# Allegro board ADRV9371-W_Layout_RevB.brd (continued)
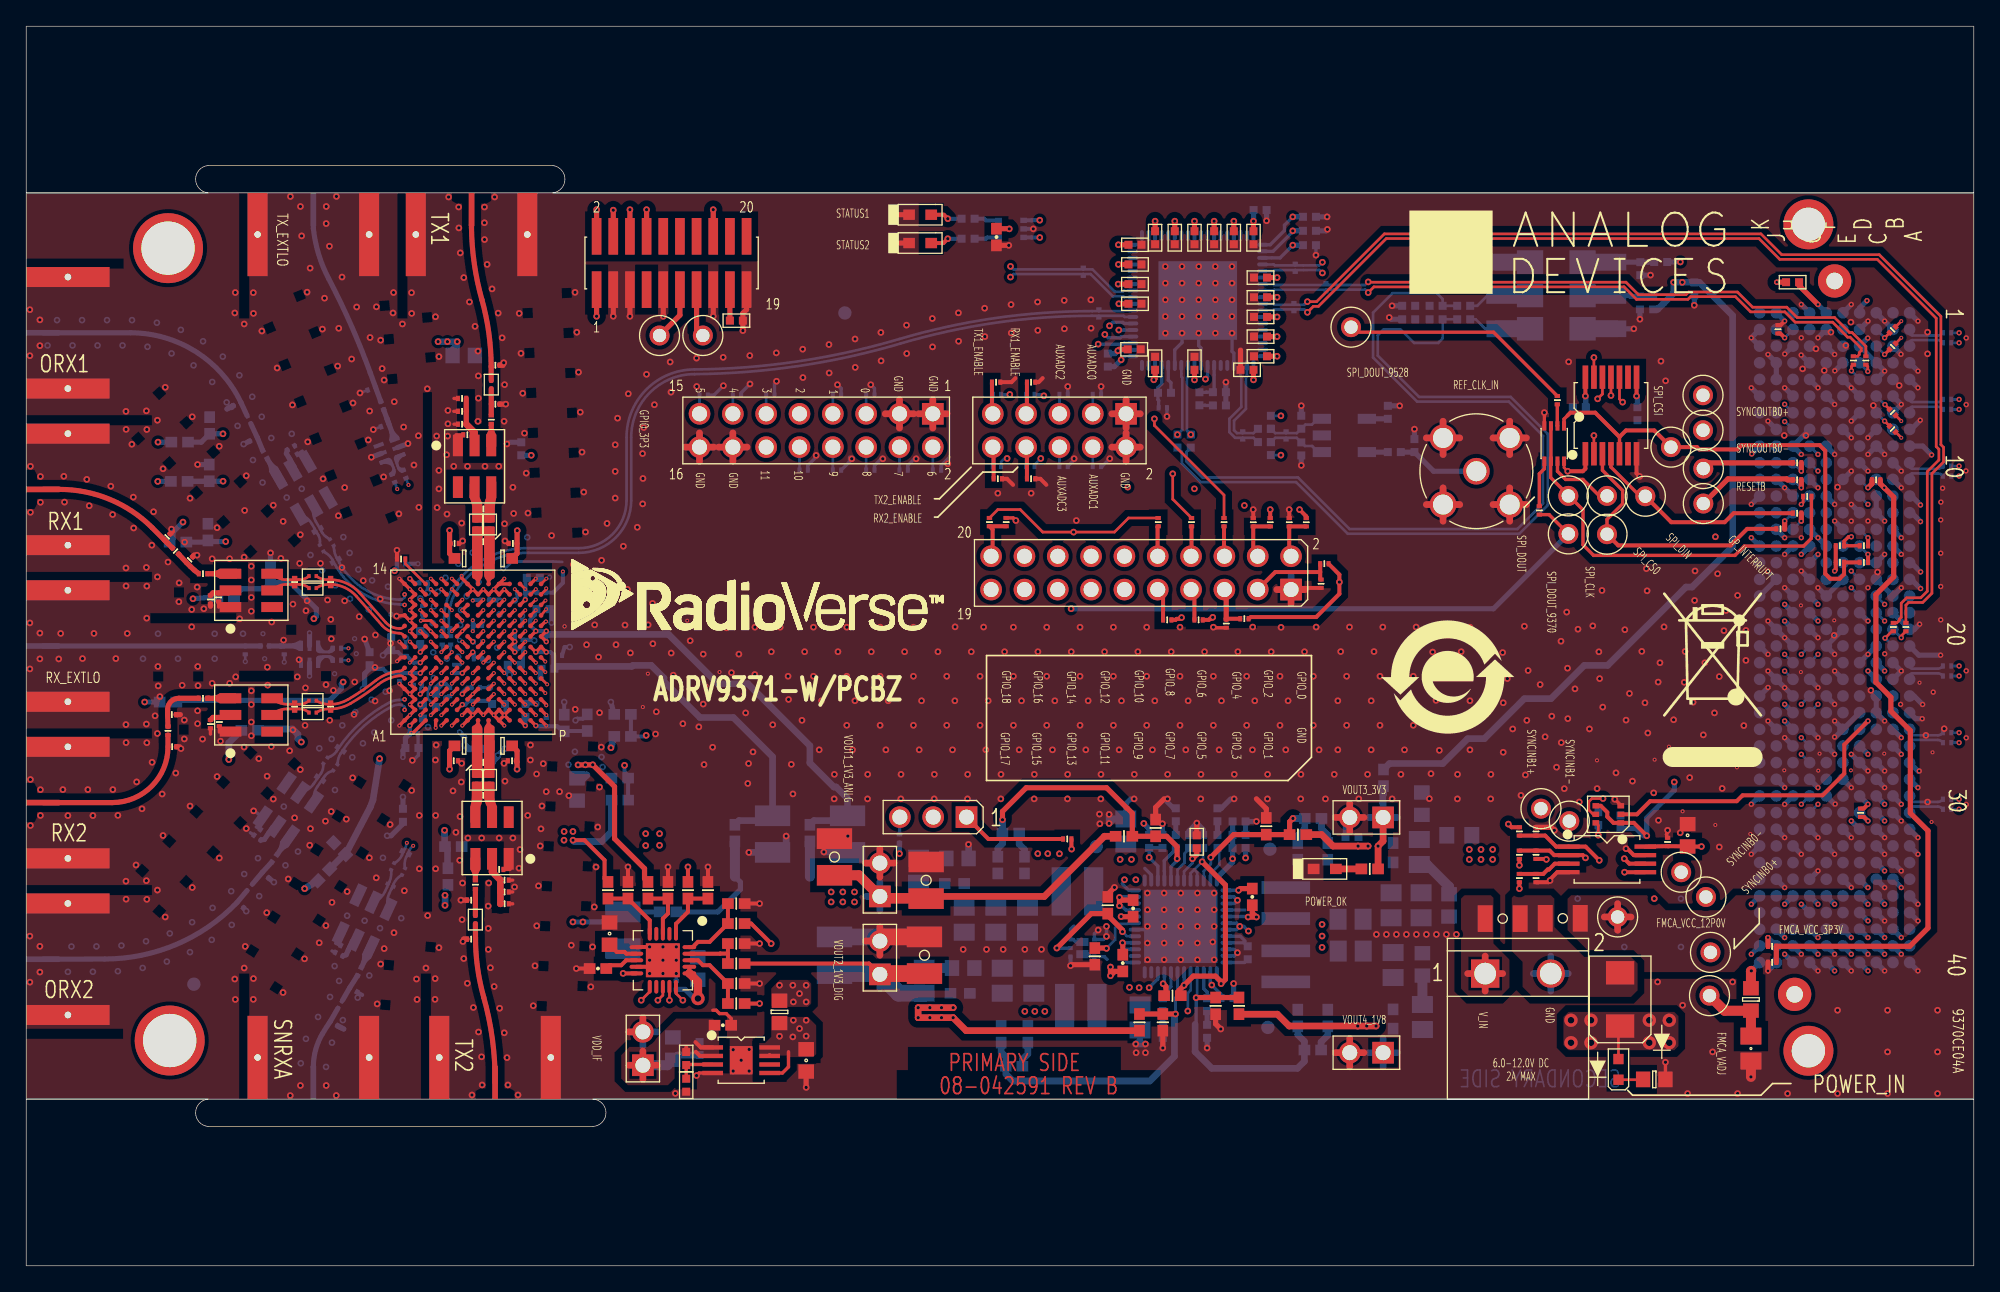
[diagram p0: board, top side]
## Nets (continued)
UNNAMED_7_AD7291_I1067_VIN5: R610.2(N2) R611.2(N2) U601.3(VIN5)
UNNAMED_7_AD7291_I1067_VIN7: R612.2(N2) R613.2(N2) U601.5(VIN7)
UNNAMED_7_AD7291_I1067_VREF: C650.1(N1) U601.7(VREF)
UNNAMED_7_AD9370V2_I936_VCLKVCO: C644.1(N1) U101.M1(VCLK_VCO_LDO)
UNNAMED_7_AD9370V2_I936_VDDABB: C604.1(N1) C606.1(N1) R614.1(N1) U101.E5(VDDA_BB)
UNNAMED_7_AD9370V2_I936_VDDARXR: C603.1(N1) C605.1(N1) R615.1(N1) U101.B1(VDDA_RXRF)
UNNAMED_7_AD9370V2_I936_VRXVCOL: C645.1(N1) U101.C8(VRX_VCO_LDO)
UNNAMED_7_AD9370V2_I936_VSNRXVC: C646.1(N1) U101.C3(VSNRX_VCO_LDO)
UNNAMED_7_AD9370V2_I936_VTXVCOL: C647.1(N1) U101.F13(VTX_VCO_LDO)
UNNAMED_8_ADP125_I911_ADJ: R739.1(N1) R740.2(N2) U702.3(ADJ)
UNNAMED_8_ADP5054_I118_BST1: C713.1(N1) U701.32(BST1)
UNNAMED_8_ADP5054_I118_BST2: C715.2(N2) U701.28(BST2)
UNNAMED_8_ADP5054_I118_BST3: C717.1(N1) U701.1(BST3)
UNNAMED_8_ADP5054_I118_BST4: C719.1(N1) U701.12(BST4)
UNNAMED_8_ADP5054_I118_COMP1: R704.2(N2) U701.40(COMP1)
UNNAMED_8_ADP5054_I118_COMP2: R707.2(N2) U701.20(COMP2)
UNNAMED_8_ADP5054_I118_COMP3: R708.2(N2) U701.47(COMP3)
UNNAMED_8_ADP5054_I118_COMP4: R711.2(N2) U701.15(COMP4)
UNNAMED_8_ADP5054_I118_DL1: Q701.5(G2) R718.2(N2) U701.31(DL1)
UNNAMED_8_ADP5054_I118_DL2: Q701.2(G1) R719.2(N2) U701.29(DL2)
UNNAMED_8_ADP5054_I118_EN1: C711.2(N2) P702.2(N2) R705.2(N2) R706.1(N1) U701.14(EN4) U701.39(EN1)
UNNAMED_8_ADP5054_I118_EN2: P702.1(N1) R702.2(N2) R703.1(N1) U701.21(EN2)
UNNAMED_8_ADP5054_I118_EN3: C712.2(N2) P702.3(N3) R709.2(N2) R710.1(N1) R712.1(N1) U701.48(EN3)
UNNAMED_8_ADP5054_I118_FB1: R714.1(N1) R715.1(N1) R716.1(N1) R717.1(N1) U701.41(FB1)
UNNAMED_8_ADP5054_I118_FB2: R720.2(N2) R721.1(N1) R722.1(N1) R723.1(N1) U701.19(FB2)
UNNAMED_8_ADP5054_I118_FB3: R724.2(N2) R725.1(N1) R726.1(N1) R727.1(N1) U701.46(FB3)
UNNAMED_8_ADP5054_I118_FB4: R728.2(N2) R729.1(N1) R730.1(N1) R731.1(N1) U701.16(FB4)
UNNAMED_8_ADP5054_I118_PWRGD: R712.2(N2) U701.17(PWRGD)
UNNAMED_8_ADP5054_I118_RT: R713.1(N1) U701.42(RT)
UNNAMED_8_ADP5054_I118_SW11: C713.2(N2) L700.1(N1) Q701.3(D2) Q701.PAD2(D2_1) U701.33(SW1_1) U701.34(SW1_2) U701.35(SW1_3)
UNNAMED_8_ADP5054_I118_SW21: C715.1(N1) L701.1(N1) Q701.6(D1) Q701.PAD1(D1_1) U701.25(SW2_1) U701.26(SW2_2) U701.27(SW2_3)
UNNAMED_8_ADP5054_I118_SW31: C717.2(N2) L702.1(N1) U701.4(SW3_1) U701.5(SW3_2)
UNNAMED_8_ADP5054_I118_SW41: C719.2(N2) L703.1(N1) U701.8(SW4_1) U701.9(SW4_2)
UNNAMED_8_ADP5054_I118_VDD: C703.2(N2) U701.43(VDD)
UNNAMED_8_CAP_I101_N1: C714.2(N2) C721.1(N1) C722.1(N1) C723.1(N1) E701.1(N1) L700.2(N2) R717.2(N2)
UNNAMED_8_CAP_I809_N2: C724.2(N2) R732.1(N1)
UNNAMED_8_CAP_I814_N2: C727.2(N2) R733.1(N1)
UNNAMED_8_CAP_I872_N2: C731.2(N2) R737.1(N1)
UNNAMED_8_CAP_I936_N2: C729.2(N2) R734.1(N1)
UNNAMED_8_CAP_I945_N1: C720.2(N2) C730.1(N1) E704.1(N1) L703.2(N2) R730.2(N2)
UNNAMED_8_CAP_I967_N1: C720.1(N1) R729.2(N2)
UNNAMED_8_CAP_I970_N1: C718.1(N1) R725.2(N2)
UNNAMED_8_CAP_I971_N1: C716.1(N1) R721.2(N2)
UNNAMED_8_CAP_I974_N1: C714.1(N1) R715.2(N2)
UNNAMED_8_CAP_I985_N2: C704.2(N2) R704.1(N1)
UNNAMED_8_CAP_I986_N2: C706.2(N2) R707.1(N1)
UNNAMED_8_CAP_I989_N2: C708.2(N2) R708.1(N1)
UNNAMED_8_CAP_I990_N2: C710.2(N2) R711.1(N1)
UNNAMED_8_CAP_I1036_N1: C718.2(N2) C728.1(N1) C739.1(N1) E703.1(N1) L702.2(N2) R726.2(N2)
UNNAMED_8_CN2P_I1027_N1: F702.1(N1) P701.1(N1)
UNNAMED_8_DIO_I32_P: CR701.A(P) F701.2(N2) F702.2(N2)
UNNAMED_8_DIOLED_I983_N: DS701.C(N) R701.2(N2)
UNNAMED_8_DIOLED_I1004_P: DS702.A(P) R735.2(N2)
UNNAMED_9_CAP_I337_N1: C801.1(N1) P801.B20(N20)
UNNAMED_9_CAP_I338_N1: C802.1(N1) P801.B21(N21)
UNNAMED_9_CAP_I852_N2: C806.2(N2) P801.D5(N5)
UNNAMED_9_CAP_I853_N2: C805.2(N2) P801.D4(N4)
UNNAMED_9_CN400PAK_I293_N2: P801.H2(N2) R801.2(N2)
UNNAMED_9_CN400PAK_I293_N10: P801.H10(N10) R802.2(N2)
UNNAMED_9_CN400PAK_I293_N11: P801.H11(N11) R803.2(N2)
UNNAMED_9_CN400PAK_I293_N13: P801.H13(N13) R804.2(N2)
UNNAMED_9_CN400PAK_I293_N14: P801.H14(N14) R805.2(N2)
UNNAMED_9_CN400PAK_I296_N12: P801.G12(N12) R806.2(N2)
UNNAMED_9_CN400PAK_I297_N18: P801.C18(N18) R816.2(N2)
UNNAMED_9_CN400PAK_I297_N19: P801.C19(N19) R817.2(N2)
UNNAMED_9_CN400PAK_I298_N11: P801.D11(N11) R810.2(N2)
UNNAMED_9_CN400PAK_I298_N14: P801.D14(N14) R811.2(N2)
UNNAMED_9_CN400PAK_I298_N15: P801.D15(N15) R812.2(N2)
UNNAMED_9_CN400PAK_I298_N17: P801.D17(N17) R813.2(N2)
UNNAMED_9_CN400PAK_I298_N18: P801.D18(N18) R814.2(N2)
UNNAMED_9_CN400PAK_I299_N1: P801.F1(N1) R807.2(N2)
UNNAMED_9_ICM24CXX_I809_E2: R822.1(N1) R823.2(N2) U801.3(E2)
VCON: C404.1(N1) R407.2(N2) Y401.1(VCON) Y402.1(VCNTRL) Y403.1(CONTROL)
VCXO_CTRL: R407.1(N1) U401.8(VCXO_VT)
VCXO_IN+: C408.2(N2) C409.2(N2) U401.11(VCXO_IN)
VCXO_IN-: C407.2(N2) R414.2(N2) U401.12(VCXO_IN_N)
VOUT1_1V3_ANLG: C601.1(N1) C602.1(N1) C724.1(N1) E601.1(N1) E602.1(N1) E603.1(N1) E604.1(N1) E605.1(N1) E606.1(N1) E607.1(N1) E608.1(N1) E609.1(N1) E610.1(N1) E611.1(N1) E612.1(N1) E613.1(N1) E701.2(N2) P703.1(N1) R601.1(N1) R612.1(N1) R614.2(N2) R615.2(N2) R716.2(N2)
VOUT2_1V3_DIG: C636.1(N1) C637.1(N1) C638.1(N1) C639.1(N1) C727.1(N1) E702.2(N2) P704.1(N1) R604.1(N1) R723.2(N2) U101.L8(VDIG) U101.L9(VDIG1)
VOUT3_3V3: C641.1(N1) C729.1(N1) C736.1(N1) C737.2(N2) E703.2(N2) E705.1(N1) E706.1(N1) P705.1(N1) R608.1(N1) R727.2(N2) R735.1(N1) R736.1(N1) R807.1(N1) U101.B14(VDDA_3P3)
VOUT4_1V8: C307.1(N1) C308.1(N1) C315.1(N1) C316.1(N1) C320.1(N1) C325.1(N1) C640.1(N1) C731.1(N1) E704.2(N2) L307.2(N2) L308.1(N1) L315.2(N2) L316.1(N1) P706.1(N1) R610.1(N1) R731.2(N2) U101.D10(VDDA_1P8)

Pads without a net: P504 7 10 12 14 18 20; P801 A14 A15 A18 A19 A34 A35 A38 A39 B1 B4 B5 B8 B9 B12 B13 B16 B17 B24 B25 B28 B29 B32 B33 B36 B37 B40 C10 C11 C14 C15 C26 C27 D8 D9 D20 D21 D23 D24 D29 D33 D34 E2 E3 E6 E7 E9 E10 E12 E13 E15 E16 E18 E19 E21 E22 E24 E25 E27 E28 E30 E31 E33 E34 E36 E37 F4 F5 F7 F8 F10 F11 F13 F14 F16 F17 F19 F20 F22 F23 F25 F26 F28 F29 F31 F32 F34 F35 F37 F38 G2 G3 G6 G7 G13 G33 G34 H1 H4 H5 H16 H17 H28 H29 H31 H32 H34 H35 H37 H38 J2 J3 J6 J7 J9 J10 J12 J13 J15 J16 J18 J19 J21 J22 J24 J25 J27 J28 J30 J31 J33 J34 J36 J37 K1 K4 K5 K7 K8 K10 K11 K13 K14 K16 K17 K19 K20 K22 K23 K25 K26 K28 K29 K31 K32 K34 K35 K37 K38; T200 6; T201 6; T202 6; T203 6; T204 6; T305 6; T306 6; T307 6; T308 6; T401 2; U401 5 6 17 18 31 32 34 35 37 38 40 41 43 44 46 47 49 50 52 53 67 68 70 71; U405 6 9; U601 2 4 12; U702 6

## Via types
v1: diameter 0.508, hole 0.254, TOP to BOTTOM, 1074 vias
v2: diameter 0.406, hole 0.203, TOP to BOTTOM, 271 vias
v3: diameter 0.508, hole 0.255, L11_GND to BOTTOM, 151 vias
v4: diameter 0.406, hole 0.203, L11_GND to BOTTOM, 17 vias
v5: diameter 0.305, hole 0.152, TOP to BOTTOM, 90 vias
v6: diameter 0.305, hole 0.153, TOP to L10_SIG, 110 vias
v7: diameter 1.016, hole 0.508, TOP to BOTTOM, 9 vias
v8: diameter 0.508, hole 0.254, TOP to L10_SIG, 77 vias

## Routing (per net, layer and track width the routed paths; a pad name or vN(x,y) marks a point on that pad's centre or on a via; arc(x,y) is an arc through that point)
AGND: length 1410.3
  TOP w0.254: U101.L7 v6(37.24,45.98) ; U101.K1 v5(36.44,41.98) ; U101.K1 v5(36.44,41.18) ; U101.K1 v5(35.64,41.98) ; v5(36.44,41.98) U101.K2 v5(35.64,41.98) ; v5(36.44,41.98) U101.L1 ; v5(36.44,41.98) U101.L2 ; U101.G3 v5(34.04,43.58) U101.H4 ; v5(35.64,41.98) U101.J2 v5(34.84,41.98) U101.H2 v5(34.04,41.98) ; v5(39.61,49.11) 39.57,49.11 U101.P10 ; v5(28.44,44.38) U101.A4 v5(29.24,43.58) ; R701.1 v1(124.94,15.52) ; U101.A7 28.56,46.38 v5(28.27,46.08) ; U101.D6 v6(30.84,45.18) ; U101.E9 v6(31.64,48.38) ; U101.K14 v5(35.64,51.58) ; U101.K14 v5(36.44,52.38) ; U101.K14 U101.L14 ; v5(35.64,51.58) U101.J13 v5(34.84,51.58) U101.H13 v5(34.04,51.58) ; v5(35.64,51.58) U101.K13 v5(36.44,51.58) U101.L13 ; U101.C9 v6(30.04,48.38) ; v1(121.08,35.56) 121.53,35.11 U404.3 ; v5(29.24,49.18) U101.A11 v8(28.23,49.52) ; v5(29.24,49.18) U101.B10 v6(29.24,48.38) U101.B9 ; v5(29.24,49.18) U101.B11 v5(29.24,49.98) U101.B12 v5(29.24,50.78) U101.B13 v5(29.24,51.58) U101.A14 v5(28.44,52.38) ; U101.F7 v5(33.24,45.98) ; U101.P3 39.64,42.78 v5(39.64,42.72) ; C315.2 v1(36.41,38.3) ; U101.E2 v6(31.64,41.98) ; v5(34.04,51.58) U101.G14 33.19,52.43 v6(33.19,52.59) ; v5(34.04,51.58) U101.G13 ; U101.H8 34.84,47.58 v5(34.84,47.62) ; v1(36.49,55.25) 36.68,55.06 C308.2 ; U101.F9 v6(33.24,48.38) U101.G10 ; R514.2 90.69,48.64 90.65,48.68 ; v5(33.21,41.98) 33.24,41.98 U101.G2 v5(34.04,41.98) ; v5(33.24,41.18) U101.G1 v5(34.04,41.98) ; U101.M2 v6(38.04,41.98) ; 52.33,19.48 52.59,19.48 52.84,19.22 53.35,19.22 53.73,18.84 C419.1 ; v5(31.64,45.18) U101.E6 ; U101.N14 v6(38.84,52.38) ; C312.1 32.58,65.13 ; C314.1 37.08,28.49 ; U101.F6 v6(32.44,45.18) ; v5(38.04,48.38) U101.M9 ; v5(29.24,43.58) U101.B3 v5(29.24,42.78) U101.B2 v5(29.24,41.98) U101.A1 v5(28.44,41.18) ; v5(29.24,43.58) U101.B4 v5(29.24,44.38) U101.B5 v6(29.24,45.18) U101.B6 ; v1(125.1,33.19) 125.08,33.14 125.1,33.07 125.01,32.87 C803.1 ; U101.F10 v6(32.44,48.38) ; U101.C5 v6(30.04,44.38) ; U101.F3 v6(32.44,42.78) ; U101.E10 v6(31.64,49.18) ; v5(34.84,46.78) U101.H7 ; C339.1 36.88,30.21 ; C307.2 33.07,55.06 v1(33.26,55.25) ; v5(30.84,42.78) U101.D3 ; U101.P1 v6(39.64,41.18) ; C247.1 14.72,40.69 ; U101.F5 v6(32.44,44.38) ; C212.2 14.04,40.53 ; 36.77,31.04 T306.1 ; U101.F8 v5(33.24,46.78) ; C338.1 32.75,63.34 ; C313.1 32.6,66.12 ; v5(37.24,49.18) U101.L10 ; C316.2 v1(33.19,38.3) ; U101.F4 v6(32.44,43.58) ; U101.H5 v6(34.04,44.38) ; v1(51.09,14.5) 51.28,14.69 U702.4 ; v1(115.71,65.04) U403.4 ; U101.H3 v6(34.04,42.78) ; v5(34.84,49.18) U101.H10 ; v5(39.64,41.98) U101.P2 ; U101.G12 v6(33.24,49.98) U101.G11 ; U101.N7 v6(38.84,45.98) ; v6(31.64,42.78) U101.E3 ; U101.D2 v5(30.84,41.98) ; v5(33.24,44.38) U101.G5 ; v5(28.44,47.58) U101.A8 ; v1(75.43,56.81) 75.23,57.01 R518.2 ; C326.1 37.07,29.4 ; C246.1 14.66,50.21 ; C322.1 37.08,27.59 ; U101.C10 v5(30.84,48.38) U101.D9 ; U101.D8 v5(30.84,47.58) ; v5(31.64,45.98) U101.D7 ; C321.1 32.6,64.15 ; U101.H6 v6(34.04,45.18) ; v5(38.84,41.98) U101.N2 ; v5(34.84,48.38) U101.H9
  TOP w0.305: v1(122.97,60.17) 122.74,60.4 U405.7 ; R505.1 v8(28.26,54.54) ; 75.4,67.66 75.09,67.36 R507.2 ; R516.2 96.53,51.67 P502.1 ; U801.7 122.53,31.3 122.03,31.8 v1(121.93,31.8) ; 77.47,67.66 77.16,67.36 R508.2 ; R506.2 74.75,59.99 75.21,59.53 ; v1(115.86,30.98) 115.82,31.01 R821.1 ; R603.2 v1(55.9,21.51) ; R607.1 v1(55.9,27.61) ; R613.1 v1(45.86,30.4) ; R515.2 v1(93.52,57.64) ; R517.2 v1(96.26,57.64) ; R823.1 116.01,29.24 v1(116.14,29.36) 116.14,29.45 116.69,30 U801.4 ; R801.1 133.72,71.7 v2(134.02,72.01) ; R609.1 v1(51.96,30.4) ; C651.2 v1(41.93,22.66) ; R611.1 v1(48.91,30.4) ; R605.1 v1(55.9,24.56) ; R509.2 77.29,59.99 77.75,59.53 ; U601.6 v1(47.51,24.31) U601.PAD 48.02,22.79 U601.9
  TOP w0.394: 93.76,35.59 94.51,34.84 R724.1 ; v1(116.47,33.19) 116.24,33.43 R819.1 ; v1(79.6,22.87) 79.67,22.95 R718.1 ; C202.2 12.8,54.17 v1(13.01,54.17) ; 67.33,80.12 D402.C v1(66.28,80.12) ; v1(54.62,71.29) R525.1 54.62,72.61 54.9,72.89 P504.19 ; C203.1 14.04,50.28 ; P504.15 v1(52.36,72.38) ; R719.1 82.38,28.07 82.38,28.28 v1(82.94,28.84) ; 36.33,68.64 36.32,68.65 C324.2 ; v1(33.13,27.87) C328.2 ; P504.9 v1(48.55,72.38) ; 11.69,39.56 C208.2 ; 33.34,24.91 33.35,24.9 C329.2 ; P504.3 v1(44.74,72.38) ; v2(132.75,22.48) 132.75,22.48 R504.2 ; C323.2 v1(36.55,65.68) ; v1(66.28,77.96) D401.C 67.33,77.96 ; C200.2 11.14,55.98 ; 86.73,35.59 86.08,34.94 R714.2 ; R720.1 v1(86.63,16.6) ; C733.1 v1(59.45,13.6) ; C428.1 92.55,69.79 ; C211.2 11.75,42.01 ; R728.1 90.65,18.44 v1(91.05,18.05) ; C414.1 v1(74.89,77.78) ; v1(89.22,33.74) C703.1 ; P504.5 v1(46.01,72.38)
  TOP w0.508: P704.2 65.06,25.83 ; P704.2 63.98,24.75 ; P704.2 65.06,23.67 ; P704.2 66.14,24.75 ; J401.5 107.99,59.3 ; J401.5 109.26,58.03 ; J401.5 106.72,58.03 ; J401.5 107.99,56.76 ; J401.2 107.99,64.38 ; J401.2 106.72,63.11 ; J401.2 107.99,61.84 ; J401.2 109.26,63.11 ; P501.1 84.91,64.94 ; P501.1 83.83,63.86 ; P501.1 83.83,66.02 ; P501.1 82.75,64.94 ; 100.88,15.16 P706.2 ; P706.2 101.96,16.24 ; P706.2 99.8,16.24 ; P706.2 100.88,17.32 ; 53.86,61.32 P503.14 ; P503.14 52.78,62.4 ; P503.14 53.86,63.48 ; P503.14 54.94,62.4 ; P502.1 97.48,51.55 ; P502.1 95.32,51.55 ; P502.1 96.4,50.47 ; 65.06,29.62 P703.2 ; P703.2 63.98,30.7 ; P703.2 66.14,30.7 ; P703.2 65.06,31.78 ; 83.83,61.32 P501.2 ; P501.2 83.83,63.48 ; P501.2 84.91,62.4 ; P501.2 82.75,62.4 ; P503.16 52.4,62.4 ; P503.16 51.32,61.32 ; P503.16 51.32,63.48 ; P503.16 50.24,62.4 ; 47,18.91 47,17.83 45.92,17.83 ; 68.02,64.94 P503.1 ; P503.1 69.1,63.86 ; P503.1 69.1,66.02 ; P503.1 70.18,64.94 ; P705.2 101.96,34.18 ; P705.2 99.8,34.18 ; P705.2 100.88,33.1 ; P705.2 100.88,35.26 ; J401.3 114.34,63.11 ; J401.3 113.07,64.38 ; J401.3 113.07,61.84 ; J401.3 111.8,63.11 ; J401.4 113.07,59.3 ; J401.4 111.8,58.03 ; J401.4 113.07,56.76 ; J401.4 114.34,58.03 ; P503.3 66.56,66.02 ; P503.3 65.48,64.94 ; P503.3 66.56,63.86 ; P503.3 67.64,64.94
  TOP w0.762: C732.2 v1(131.45,14.4)
  TOP w1.27: C638.2 65.38,25.07 P704.2
  L2_GND w0.508: 111.8,58.03 J401.4 ; J401.4 113.07,59.3 ; J401.4 113.07,56.76 ; J401.4 114.34,58.03 ; P501.1 83.83,66.02 ; P501.1 84.91,64.94 ; P501.1 82.75,64.94 ; P501.1 83.83,63.86 ; 116.2,20.94 P701.2 ; P701.2 116.2,23.61 ; P701.2 117.53,22.27 ; P701.2 114.86,22.27 ; J401.2 109.26,63.11 ; J401.2 107.99,61.84 ; J401.2 107.99,64.38 ; J401.2 106.72,63.11 ; 65.06,29.62 P703.2 ; P703.2 65.06,31.78 ; P703.2 66.14,30.7 ; P703.2 63.98,30.7 ; P501.2 84.91,62.4 ; P501.2 82.75,62.4 ; P501.2 83.83,63.48 ; P501.2 83.83,61.32 ; 63.98,24.75 P704.2 ; P704.2 66.14,24.75 ; P704.2 65.06,25.83 ; P704.2 65.06,23.67 ; P705.2 101.96,34.18 ; P705.2 99.8,34.18 ; P705.2 100.88,33.1 ; P705.2 100.88,35.26 ; 106.72,58.03 J401.5 ; J401.5 109.26,58.03 ; J401.5 107.99,59.3 ; J401.5 107.99,56.76 ; 52.78,62.4 P503.14 ; P503.14 54.94,62.4 ; P503.14 53.86,61.32 ; P503.14 53.86,63.48 ; 68.02,64.94 P503.1 ; P503.1 69.1,63.86 ; P503.1 69.1,66.02 ; P503.1 70.18,64.94 ; J401.3 113.07,64.38 ; J401.3 114.34,63.11 ; J401.3 111.8,63.11 ; J401.3 113.07,61.84 ; 51.32,61.32 P503.16 ; P503.16 51.32,63.48 ; P503.16 50.24,62.4 ; P503.16 52.4,62.4 ; 100.88,15.16 P706.2 ; P706.2 100.88,17.32 ; P706.2 101.96,16.24 ; P706.2 99.8,16.24 ; P503.3 67.64,64.94 ; P503.3 66.56,66.02 ; P503.3 66.56,63.86 ; P503.3 65.48,64.94 ; 47,16.75 47,17.83 ; 47,17.83 48.08,17.83 ; 47,17.83 47,18.91 ; 47,17.83 45.92,17.83 ; P502.1 97.48,51.55 ; P502.1 95.32,51.55 ; P502.1 96.4,52.63 ; P502.1 96.4,50.47
  L3_PWR w0.508: J401.5 107.99,59.3 ; J401.5 106.72,58.03 ; J401.5 109.26,58.03 ; J401.5 107.99,56.76 ; 65.06,29.62 P703.2 ; P703.2 65.06,31.78 ; P703.2 66.14,30.7 ; P703.2 63.98,30.7 ; P503.1 70.18,64.94 ; P503.1 68.02,64.94 ; P503.1 69.1,63.86 ; P503.1 69.1,66.02 ; P503.3 66.56,66.02 ; P503.3 66.56,63.86 ; P503.3 65.48,64.94 ; P503.3 67.64,64.94 ; 53.86,61.32 P503.14 ; P503.14 54.94,62.4 ; P503.14 52.78,62.4 ; P503.14 53.86,63.48 ; 82.75,64.94 P501.1 ; P501.1 84.91,64.94 ; P501.1 83.83,63.86 ; P501.1 83.83,66.02 ; 63.98,24.75 P704.2 ; P704.2 65.06,23.67 ; P704.2 65.06,25.83 ; P704.2 66.14,24.75 ; P501.2 84.91,62.4 ; P501.2 83.83,61.32 ; P501.2 83.83,63.48 ; P501.2 82.75,62.4 ; 111.8,63.11 J401.3 ; J401.3 114.34,63.11 ; J401.3 113.07,61.84 ; J401.4 113.07,59.3 ; J401.4 111.8,58.03 ; J401.4 113.07,56.76 ; J401.4 114.34,58.03 ; 97.48,51.55 P502.1 96.4,52.63 ; P701.2 117.53,22.27 ; P701.2 114.86,22.27 ; P701.2 116.2,23.61 ; P701.2 116.2,20.94 ; 50.24,62.4 P503.16 ; P503.16 52.4,62.4 ; P503.16 51.32,63.48 ; P503.16 51.32,61.32 ; 107.99,61.84 J401.2 109.26,63.11
  L4_GND w0.508: P706.2 101.96,16.24 ; P706.2 100.88,15.16 ; P706.2 99.8,16.24 ; P706.2 100.88,17.32 ; 82.75,64.94 P501.1 ; P501.1 84.91,64.94 ; P501.1 83.83,63.86 ; P501.1 83.83,66.02 ; 50.24,62.4 P503.16 ; P503.16 52.4,62.4 ; P503.16 51.32,61.32 ; P503.16 51.32,63.48 ; 66.56,63.86 P503.3 ; P503.3 65.48,64.94 ; P503.3 66.56,66.02 ; P503.3 67.64,64.94 ; P503.14 53.86,63.48 ; P503.14 52.78,62.4 ; P503.14 54.94,62.4 ; P503.14 53.86,61.32 ; 65.06,23.67 P704.2 ; P704.2 66.14,24.75 ; P704.2 65.06,25.83 ; P704.2 63.98,24.75 ; 68.02,64.94 P503.1 ; P503.1 69.1,66.02 ; P503.1 69.1,63.86 ; P503.1 70.18,64.94 ; P705.2 100.88,35.26 ; P705.2 99.8,34.18 ; P705.2 101.96,34.18 ; P705.2 100.88,33.1 ; J401.4 113.07,59.3 ; J401.4 113.07,56.76 ; J401.4 114.34,58.03 ; J401.4 111.8,58.03 ; 47,17.83 48.08,17.83 ; 47,17.83 45.92,17.83 ; 47,17.83 47,16.75 ; 47,17.83 47,18.91 ; 116.2,20.94 P701.2 ; P701.2 116.2,23.61 ; P701.2 117.53,22.27 ; P701.2 114.86,22.27 ; 96.4,50.47 P502.1 ; P502.1 95.32,51.55 ; P502.1 97.48,51.55 ; P502.1 96.4,52.63 ; 107.99,61.84 J401.2 ; J401.2 107.99,64.38 ; J401.2 106.72,63.11 ; J401.2 109.26,63.11 ; J401.3 114.34,63.11 ; J401.3 111.8,63.11 ; J401.3 113.07,64.38 ; J401.3 113.07,61.84 ; P703.2 65.06,31.78 ; P703.2 66.14,30.7 ; P703.2 63.98,30.7 ; P703.2 65.06,29.62 ; 83.83,61.32 P501.2 ; P501.2 82.75,62.4 ; P501.2 83.83,63.48 ; P501.2 84.91,62.4 ; 107.99,56.76 J401.5 ; J401.5 107.99,59.3 ; J401.5 109.26,58.03 ; J401.5 106.72,58.03
  L5_SIG w0.508: P501.2 83.83,63.48 ; P501.2 84.91,62.4 ; P501.2 82.75,62.4 ; P501.2 83.83,61.32 ; 52.78,62.4 P503.14 ; P503.14 53.86,61.32 ; P503.14 54.94,62.4 ; 116.2,20.94 P701.2 ; P701.2 116.2,23.61 ; P701.2 114.86,22.27 ; P701.2 117.53,22.27 ; 51.32,61.32 P503.16 ; P503.16 50.24,62.4 ; P503.16 52.4,62.4 ; 113.07,61.84 J401.3 ; J401.3 114.34,63.11 ; J401.3 111.8,63.11 ; J401.4 114.34,58.03 ; J401.4 113.07,59.3 ; J401.4 111.8,58.03 ; J401.4 113.07,56.76 ; P706.2 101.96,16.24 ; P706.2 100.88,15.16 ; P706.2 99.8,16.24 ; P706.2 100.88,17.32 ; P503.3 67.64,64.94 ; P503.3 65.48,64.94 ; P503.3 66.56,66.02 ; 65.06,23.67 P704.2 ; P704.2 66.14,24.75 ; P704.2 63.98,24.75 ; P704.2 65.06,25.83 ; J401.5 107.99,59.3 ; J401.5 107.99,56.76 ; J401.5 109.26,58.03 ; J401.5 106.72,58.03 ; 47,16.75 47,17.83 ; 47,17.83 47,18.91 ; 47,17.83 48.08,17.83 ; 47,17.83 45.92,17.83 ; J401.2 109.26,63.11 ; J401.2 106.72,63.11 ; J401.2 107.99,61.84 ; P501.1 83.83,66.02 ; P501.1 84.91,64.94 ; P501.1 83.83,63.86 ; 65.06,31.78 P703.2 66.14,30.7 ; 99.8,34.18 P705.2 ; P705.2 100.88,33.1 ; P705.2 101.96,34.18 ; P705.2 100.88,35.26 ; 97.48,51.55 P502.1 95.32,51.55 ; 69.1,63.86 P503.1 ; P503.1 68.02,64.94 ; P503.1 69.1,66.02
  L6_GND w0.508: 65.06,23.67 P704.2 ; P704.2 63.98,24.75 ; P704.2 65.06,25.83 ; P704.2 66.14,24.75 ; P501.2 83.83,63.48 ; P501.2 84.91,62.4 ; P501.2 82.75,62.4 ; P501.2 83.83,61.32 ; 114.86,22.27 P701.2 ; P701.2 117.53,22.27 ; P701.2 116.2,20.94 ; P701.2 116.2,23.61 ; P703.2 65.06,31.78 ; P703.2 65.06,29.62 ; P703.2 63.98,30.7 ; P703.2 66.14,30.7 ; 106.72,58.03 J401.5 ; J401.5 107.99,59.3 ; J401.5 109.26,58.03 ; J401.5 107.99,56.76 ; J401.3 113.07,64.38 ; J401.3 113.07,61.84 ; J401.3 111.8,63.11 ; J401.3 114.34,63.11 ; 96.4,50.47 P502.1 ; P502.1 96.4,52.63 ; P502.1 97.48,51.55 ; P502.1 95.32,51.55 ; P503.14 53.86,63.48 ; P503.14 52.78,62.4 ; P503.14 53.86,61.32 ; P503.14 54.94,62.4 ; J401.4 113.07,59.3 ; J401.4 113.07,56.76 ; J401.4 111.8,58.03 ; J401.4 114.34,58.03 ; P503.16 52.4,62.4 ; P503.16 51.32,61.32 ; P503.16 50.24,62.4 ; P503.16 51.32,63.48 ; 69.1,63.86 P503.1 ; P503.1 68.02,64.94 ; P503.1 69.1,66.02 ; P503.1 70.18,64.94 ; 99.8,16.24 P706.2 ; P706.2 100.88,17.32 ; P706.2 101.96,16.24 ; P706.2 100.88,15.16 ; P501.1 84.91,64.94 ; P501.1 83.83,63.86 ; P501.1 82.75,64.94 ; P501.1 83.83,66.02 ; P705.2 100.88,35.26 ; P705.2 100.88,33.1 ; P705.2 101.96,34.18 ; P705.2 99.8,34.18 ; 107.99,61.84 J401.2 ; J401.2 106.72,63.11 ; J401.2 109.26,63.11 ; J401.2 107.99,64.38 ; P503.3 67.64,64.94 ; P503.3 66.56,66.02 ; P503.3 65.48,64.94 ; P503.3 66.56,63.86 ; 45.92,17.83 47,17.83 ; 47,17.83 47,16.75 ; 47,17.83 47,18.91 ; 47,17.83 48.08,17.83
  L7_SIG w0.152: 34.3,49.96 34.84,49.42 v5(34.84,49.18)
  L7_SIG w0.508: P501.2 84.91,62.4 ; P501.2 83.83,61.32 ; P501.2 82.75,62.4 ; P501.2 83.83,63.48 ; J401.4 113.07,59.3 ; J401.4 114.34,58.03 ; J401.4 111.8,58.03 ; 95.32,51.55 P502.1 ; P502.1 97.48,51.55 ; P502.1 96.4,52.63 ; P502.1 96.4,50.47 ; P706.2 101.96,16.24 ; P706.2 100.88,15.16 ; P706.2 99.8,16.24 ; P706.2 100.88,17.32 ; 63.98,24.75 P704.2 ; P704.2 65.06,23.67 ; P704.2 65.06,25.83 ; P704.2 66.14,24.75 ; 50.24,62.4 P503.16 ; P503.16 51.32,63.48 ; P503.16 51.32,61.32 ; P503.16 52.4,62.4 ; J401.5 109.26,58.03 ; J401.5 106.72,58.03 ; J401.5 107.99,59.3 ; 47,17.83 47,18.91 ; 47,17.83 47,16.75 ; 47,17.83 48.08,17.83 ; 47,17.83 45.92,17.83 ; 83.83,63.86 P501.1 ; P501.1 83.83,66.02 ; P501.1 84.91,64.94 ; P501.1 82.75,64.94 ; P701.2 117.53,22.27 ; P701.2 114.86,22.27 ; P701.2 116.2,23.61 ; P701.2 116.2,20.94 ; P703.2 65.06,31.78 ; P703.2 63.98,30.7 ; P703.2 66.14,30.7 ; P703.2 65.06,29.62 ; 68.02,64.94 P503.1 ; P503.1 69.1,66.02 ; P503.1 70.18,64.94 ; P503.1 69.1,63.86 ; J401.3 113.07,64.38 ; J401.3 113.07,61.84 ; J401.3 114.34,63.11 ; J401.3 111.8,63.11 ; 100.88,33.1 P705.2 ; P705.2 101.96,34.18 ; P705.2 99.8,34.18 ; P705.2 100.88,35.26 ; 65.48,64.94 P503.3 ; P503.3 67.64,64.94 ; P503.3 66.56,63.86 ; P503.3 66.56,66.02 ; 52.78,62.4 P503.14 ; P503.14 53.86,61.32 ; P503.14 54.94,62.4 ; P503.14 53.86,63.48 ; J401.2 109.26,63.11 ; J401.2 107.99,61.84 ; J401.2 107.99,64.38 ; J401.2 106.72,63.11
  L8_SIG w0.152: 33.54,46.66 33.63,46.75 33.63,46.94 33.82,47.13
  L8_SIG w0.508: 82.75,64.94 P501.1 84.91,64.94 ; 96.4,50.47 P502.1 ; P502.1 95.32,51.55 ; P502.1 97.48,51.55 ; 65.48,64.94 P503.3 66.56,63.86 ; 116.2,20.94 P701.2 117.53,22.27 ; 107.99,61.84 J401.2 ; J401.2 107.99,64.38 ; J401.2 109.26,63.11 ; J401.2 106.72,63.11 ; 53.86,61.32 P503.14 ; P503.14 53.86,63.48 ; P503.14 54.94,62.4 ; P503.16 51.32,63.48 ; P503.16 50.24,62.4 ; P503.16 51.32,61.32 ; P705.2 100.88,35.26 ; P705.2 101.96,34.18 ; P705.2 99.8,34.18 ; 63.98,30.7 P703.2 ; P703.2 66.14,30.7 ; P703.2 65.06,31.78 ; 45.92,17.83 47,17.83 ; 47,17.83 47,18.91 ; 47,17.83 47,16.75 ; 47,17.83 48.08,17.83 ; P704.2 66.14,24.75 ; P704.2 63.98,24.75 ; P704.2 65.06,25.83 ; P706.2 100.88,17.32 ; P706.2 101.96,16.24 ; P706.2 99.8,16.24 ; 111.8,58.03 J401.4 ; J401.4 113.07,59.3 ; J401.4 113.07,56.76 ; J401.4 114.34,58.03 ; J401.3 114.34,63.11 ; J401.3 111.8,63.11 ; J401.3 113.07,61.84 ; J401.3 113.07,64.38 ; 106.72,58.03 J401.5 ; J401.5 109.26,58.03 ; J401.5 107.99,56.76 ; J401.5 107.99,59.3 ; 82.75,62.4 P501.2 84.91,62.4 ; P503.1 70.18,64.94 ; P503.1 69.1,66.02 ; P503.1 69.1,63.86
  L9_GND w0.508: 99.8,34.18 P705.2 ; P705.2 100.88,33.1 ; P705.2 101.96,34.18 ; P705.2 100.88,35.26 ; 63.98,24.75 P704.2 ; P704.2 66.14,24.75 ; P704.2 65.06,25.83 ; P704.2 65.06,23.67 ; P706.2 101.96,16.24 ; P706.2 100.88,17.32 ; P706.2 99.8,16.24 ; P706.2 100.88,15.16 ; P703.2 66.14,30.7 ; P703.2 65.06,31.78 ; P703.2 63.98,30.7 ; P703.2 65.06,29.62 ; 51.32,61.32 P503.16 ; P503.16 50.24,62.4 ; P503.16 51.32,63.48 ; P503.16 52.4,62.4 ; P501.2 83.83,63.48 ; P501.2 82.75,62.4 ; P501.2 83.83,61.32 ; P501.2 84.91,62.4 ; P701.2 117.53,22.27 ; P701.2 116.2,23.61 ; P701.2 114.86,22.27 ; P701.2 116.2,20.94 ; P503.3 66.56,66.02 ; P503.3 66.56,63.86 ; P503.3 67.64,64.94 ; P503.3 65.48,64.94 ; P501.1 83.83,66.02 ; P501.1 83.83,63.86 ; P501.1 82.75,64.94 ; P501.1 84.91,64.94 ; 47,17.83 48.08,17.83 ; 47,17.83 45.92,17.83 ; 47,17.83 47,18.91 ; 47,17.83 47,16.75 ; 95.32,51.55 P502.1 ; P502.1 97.48,51.55 ; P502.1 96.4,50.47 ; P502.1 96.4,52.63 ; 106.72,63.11 J401.2 ; J401.2 107.99,64.38 ; J401.2 109.26,63.11 ; J401.2 107.99,61.84 ; J401.5 109.26,58.03 ; J401.5 107.99,56.76 ; J401.5 107.99,59.3 ; J401.5 106.72,58.03 ; P503.1 69.1,66.02 ; P503.1 70.18,64.94 ; P503.1 69.1,63.86 ; P503.1 68.02,64.94 ; 111.8,63.11 J401.3 ; J401.3 114.34,63.11 ; J401.3 113.07,64.38 ; J401.3 113.07,61.84 ; J401.4 113.07,59.3 ; J401.4 111.8,58.03 ; J401.4 113.07,56.76 ; J401.4 114.34,58.03 ; 52.78,62.4 P503.14 ; P503.14 53.86,61.32 ; P503.14 54.94,62.4 ; P503.14 53.86,63.48
  L10_SIG w0.127: 29.09,48.05 29.23,47.92 29.38,47.92 29.73,47.57 29.73,47.42
  L10_SIG w0.508: 52.4,62.4 P503.16 51.32,63.48 ; J401.2 109.26,63.11 ; J401.2 106.72,63.11 ; J401.2 107.99,61.84 ; J401.2 107.99,64.38 ; 100.88,35.26 P705.2 99.8,34.18 ; P701.2 117.53,22.27 ; P701.2 116.2,20.94 ; P701.2 114.86,22.27 ; P701.2 116.2,23.61 ; P501.2 83.83,63.48 ; P501.2 82.75,62.4 ; P501.2 83.83,61.32 ; P501.2 84.91,62.4 ; 47,16.75 47,17.83 ; 47,17.83 45.92,17.83 ; 47,17.83 48.08,17.83 ; 47,17.83 47,18.91 ; P503.14 53.86,63.48 ; P503.14 52.78,62.4 ; P503.14 53.86,61.32 ; J401.4 114.34,58.03 ; J401.4 113.07,59.3 ; J401.4 113.07,56.76 ; J401.4 111.8,58.03 ; P703.2 65.06,31.78 ; P703.2 63.98,30.7 ; P703.2 66.14,30.7 ; P703.2 65.06,29.62 ; 111.8,63.11 J401.3 ; J401.3 113.07,61.84 ; J401.3 113.07,64.38 ; J401.3 114.34,63.11 ; 96.4,50.47 P502.1 ; P502.1 96.4,52.63 ; P502.1 97.48,51.55 ; P502.1 95.32,51.55 ; P503.3 66.56,66.02 ; P503.3 65.48,64.94 ; P503.3 67.64,64.94 ; P503.3 66.56,63.86 ; 69.1,63.86 P503.1 ; P503.1 70.18,64.94 ; P503.1 69.1,66.02 ; P503.1 68.02,64.94 ; P706.2 101.96,16.24 ; P706.2 99.8,16.24 ; P706.2 100.88,17.32 ; P706.2 100.88,15.16 ; 106.72,58.03 J401.5 ; J401.5 107.99,59.3 ; J401.5 107.99,56.76 ; J401.5 109.26,58.03 ; 83.83,63.86 P501.1 82.75,64.94
  L11_GND w0.508: 116.2,20.94 P701.2 ; P701.2 116.2,23.61 ; P701.2 114.86,22.27 ; P701.2 117.53,22.27 ; 107.99,56.76 J401.5 ; J401.5 107.99,59.3 ; J401.5 106.72,58.03 ; J401.5 109.26,58.03 ; 99.8,34.18 P705.2 ; P705.2 100.88,33.1 ; P705.2 100.88,35.26 ; P705.2 101.96,34.18 ; 66.56,63.86 P503.3 ; P503.3 65.48,64.94 ; P503.3 66.56,66.02 ; P503.3 67.64,64.94 ; 83.83,63.86 P501.1 ; P501.1 83.83,66.02 ; P501.1 82.75,64.94 ; P501.1 84.91,64.94 ; 50.24,62.4 P503.16 ; P503.16 52.4,62.4 ; P503.16 51.32,63.48 ; P503.16 51.32,61.32 ; P703.2 65.06,31.78 ; P703.2 65.06,29.62 ; P703.2 66.14,30.7 ; P703.2 63.98,30.7 ; 96.4,50.47 P502.1 ; P502.1 95.32,51.55 ; P502.1 96.4,52.63 ; P502.1 97.48,51.55 ; 106.72,63.11 J401.2 ; J401.2 109.26,63.11 ; J401.2 107.99,64.38 ; J401.2 107.99,61.84 ; P503.14 54.94,62.4 ; P503.14 53.86,61.32 ; P503.14 52.78,62.4 ; P503.14 53.86,63.48 ; P501.2 84.91,62.4 ; P501.2 82.75,62.4 ; P501.2 83.83,61.32 ; P501.2 83.83,63.48 ; 47,16.75 47,17.83 ; 47,17.83 45.92,17.83 ; 47,17.83 47,18.91 ; 47,17.83 48.08,17.83 ; 69.1,63.86 P503.1 ; P503.1 70.18,64.94 ; P503.1 68.02,64.94 ; P503.1 69.1,66.02 ; P704.2 65.06,25.83 ; P704.2 66.14,24.75 ; P704.2 63.98,24.75 ; P704.2 65.06,23.67 ; 111.8,58.03 J401.4 ; J401.4 113.07,56.76 ; J401.4 114.34,58.03 ; J401.4 113.07,59.3 ; 113.07,61.84 J401.3 ; J401.3 111.8,63.11 ; J401.3 113.07,64.38 ; J401.3 114.34,63.11 ; 100.88,15.16 P706.2 ; P706.2 101.96,16.24 ; P706.2 99.8,16.24 ; P706.2 100.88,17.32
  L12_PWR w0.508: P503.3 67.64,64.94 ; P503.3 66.56,63.86 ; P503.3 65.48,64.94 ; P503.3 66.56,66.02 ; P705.2 101.96,34.18 ; P705.2 100.88,35.26 ; P705.2 99.8,34.18 ; P705.2 100.88,33.1 ; 111.8,63.11 J401.3 ; J401.3 114.34,63.11 ; J401.3 113.07,64.38 ; J401.3 113.07,61.84 ; 83.83,61.32 P501.2 ; P501.2 83.83,63.48 ; P501.2 82.75,62.4 ; P501.2 84.91,62.4 ; 53.86,61.32 P503.14 ; P503.14 53.86,63.48 ; P503.14 54.94,62.4 ; P503.14 52.78,62.4 ; 65.52,25.81 P704.2 63.98,24.75 ; J401.4 113.07,59.3 ; J401.4 114.34,58.03 ; J401.4 113.07,56.76 ; J401.4 111.8,58.03 ; 51.32,61.32 P503.16 ; P503.16 52.4,62.4 ; P503.16 50.24,62.4 ; P503.16 51.32,63.48 ; J401.2 107.99,64.38 ; J401.2 107.99,61.84 ; J401.2 106.72,63.11 ; J401.2 109.26,63.11 ; P706.2 100.88,17.32 ; P706.2 99.8,16.24 ; P706.2 100.88,15.16 ; P706.2 101.96,16.24 ; J401.5 107.99,59.3 ; J401.5 107.99,56.76 ; J401.5 109.26,58.03 ; J401.5 106.72,58.03 ; 65.06,31.78 P703.2 66.14,30.7 ; P501.1 84.91,64.94 ; P501.1 83.83,66.02 ; P501.1 83.83,63.86 ; P501.1 82.75,64.94 ; P503.1 69.1,66.02 ; P503.1 70.18,64.94 ; P503.1 69.1,63.86 ; P503.1 68.02,64.94